# Altium PCB RADC-B00-V00.PcbDoc (part 1 of 3) (continued)
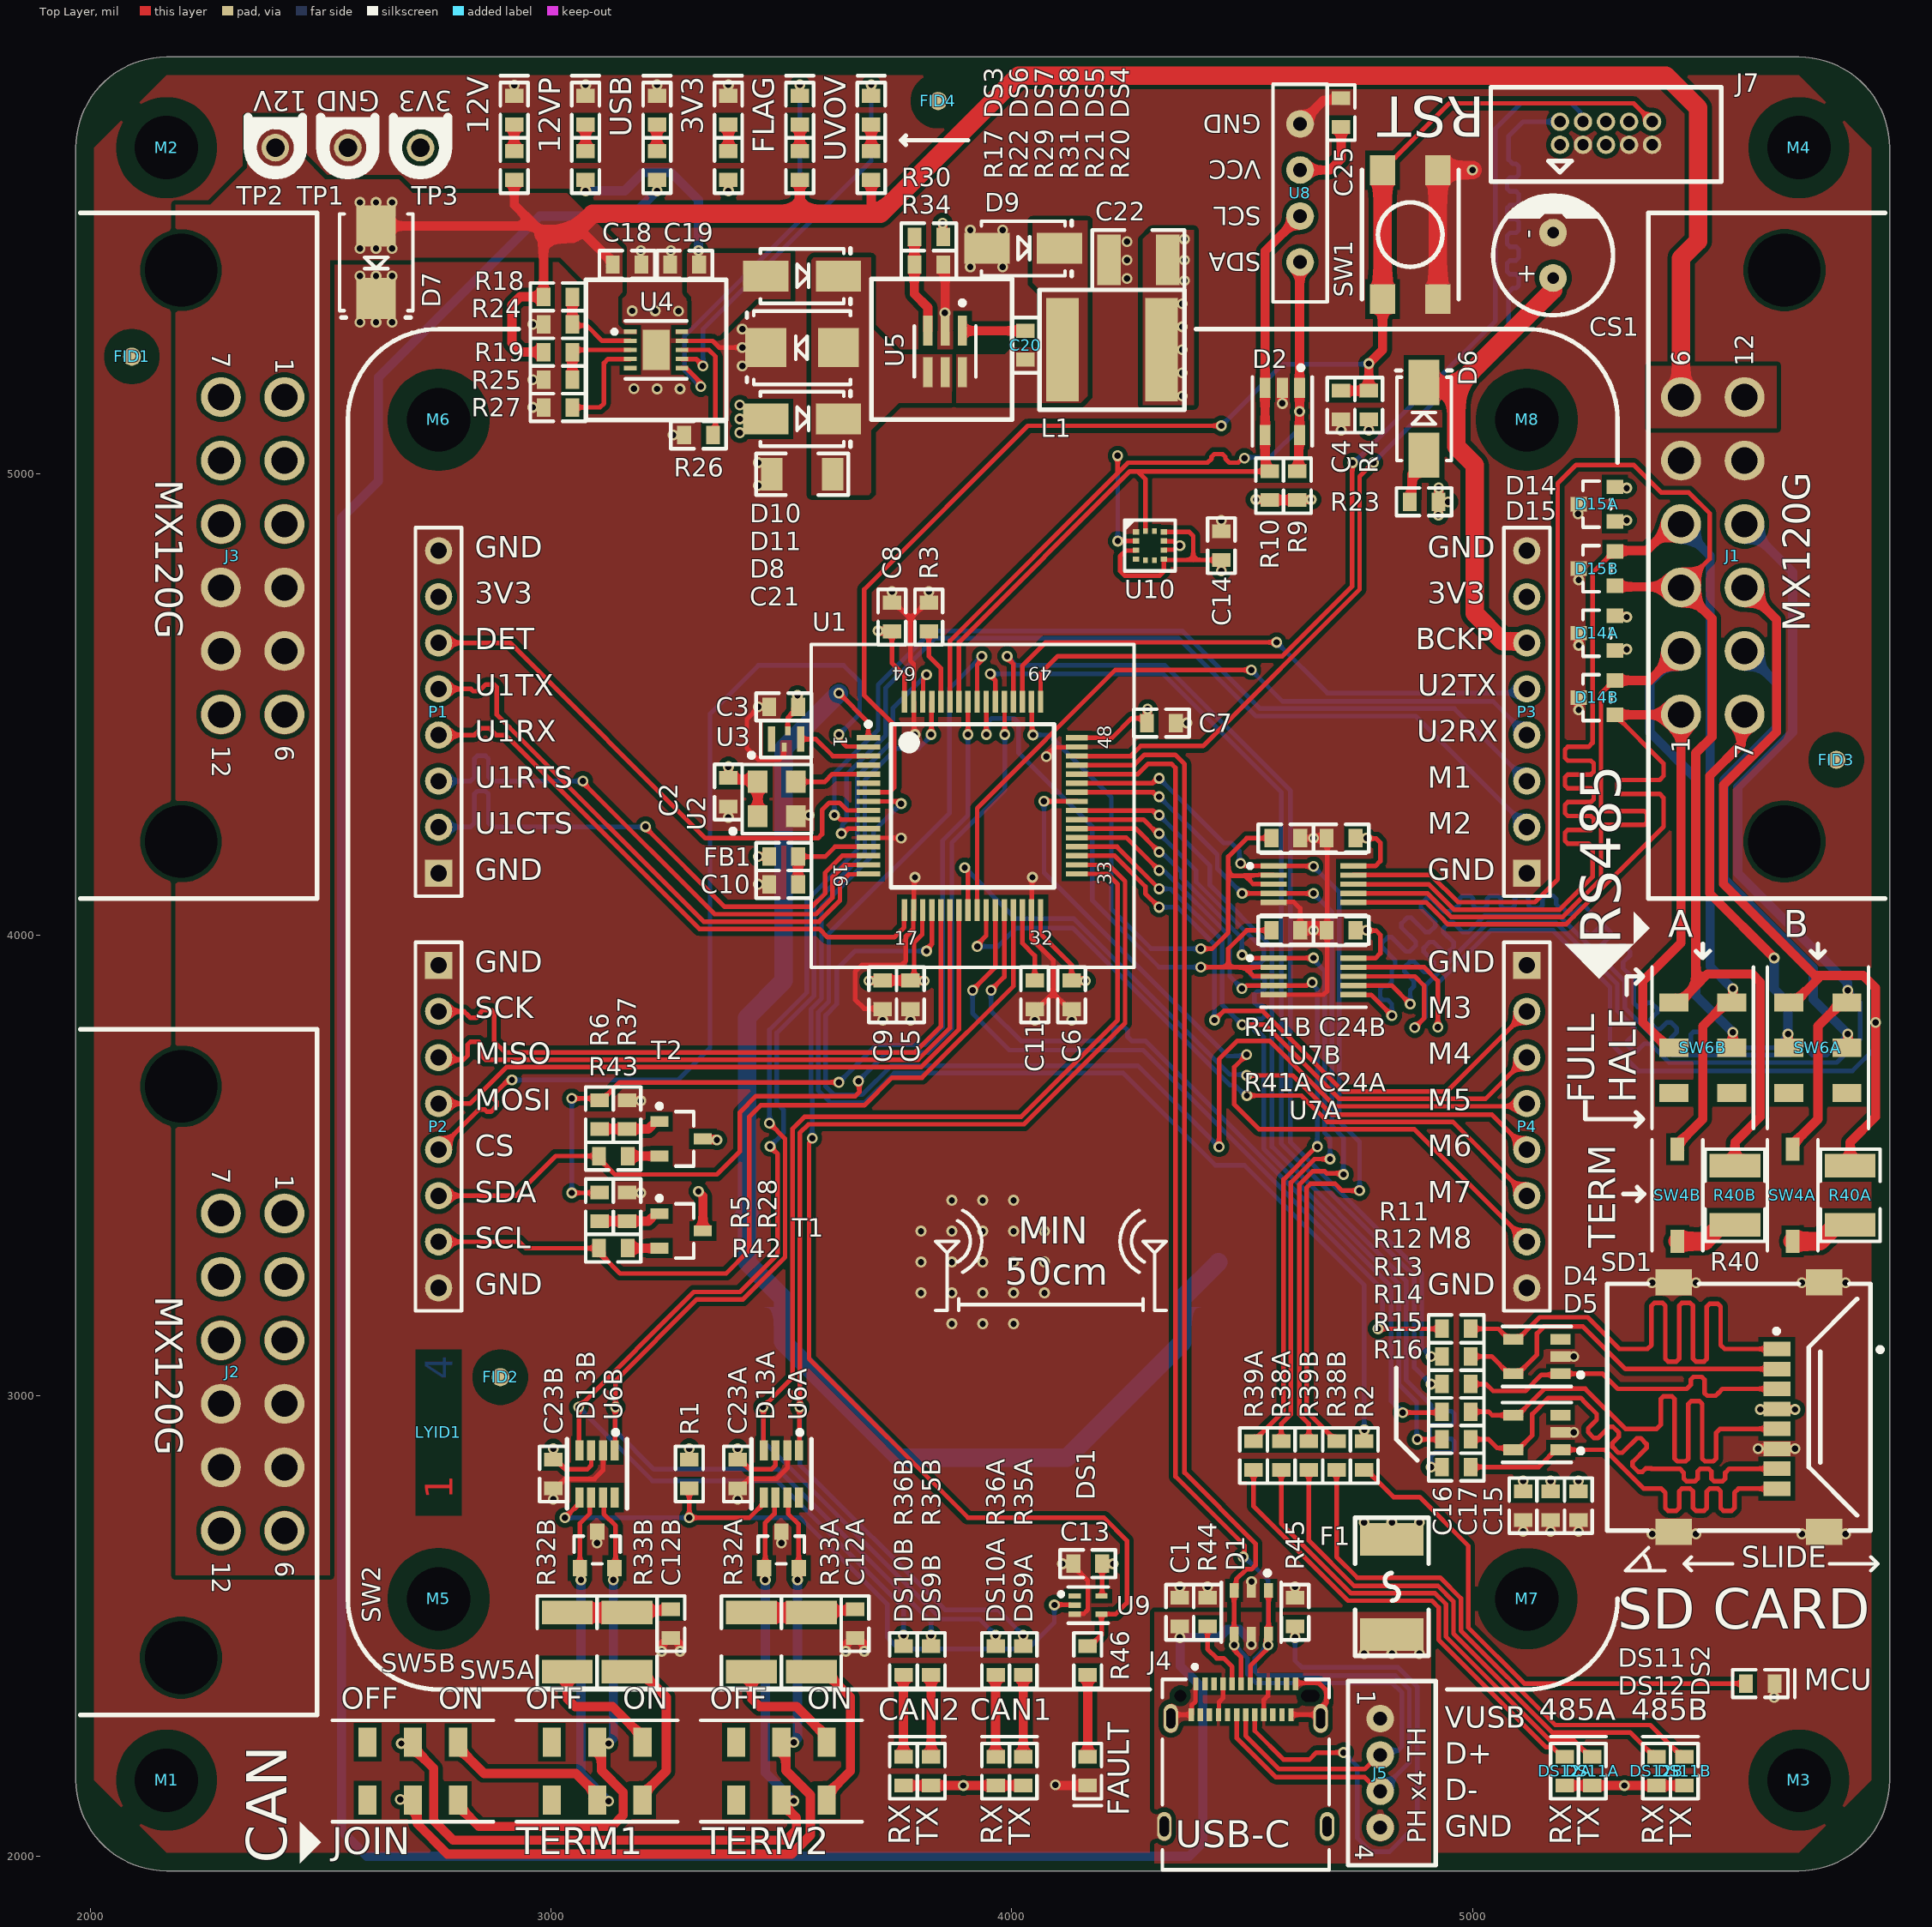
[diagram p0: Top Layer view]
## Design rules (kind name [scope] priority, off if disabled: settings)
Clearance [All] p1: gap=10 ignorepadtopadclearanceinfootprint=FALSE except(0: Arc-Hole Track-Hole SMDPad-Hole THPad-Hole Via-Hole Fill-Hole Poly-Hole Region-Hole Text-Hole; 6: Arc-Arc Arc-Track Arc-SMDPad Track-Track Track-SMDPad SMDPad-SMDPad)
DiffPairsRouting [All] p1: maxlimit=10 minlimit=6 mostfreqgap=10 toplayer_minwidth=10 toplayer_maxwidth=20 toplayer_prefwidth=10 midlayer1_minwidth=10 midlayer1_maxwidth=20 midlayer1_prefwidth=10 midlayer2_minwidth=10 midlayer2_maxwidth=20 midlayer2_prefwidth=10 bottomlayer_minwidth=10 bottomlayer_maxwidth=20 bottomlayer_prefwidth=10 maxuncoupledlength=500
MatchedLengths MatchLengths_xSignals_J7_U1 [InxSignalClass('xSignals_J7_U1_MatchLengthsClass')] p1: tolerance=100 checknetsindiffpair=FALSE checkdiffpairvsdiffpair=TRUE checkxsignals=TRUE checkothers=TRUE
MatchedLengths MatchLengths_SD1_Passives_U1 [InxSignalClass('xSignals_SD1_Passives_U1_MatchLengthsClass')] p2: tolerance=100 checknetsindiffpair=FALSE checkdiffpairvsdiffpair=TRUE checkxsignals=TRUE checkothers=TRUE
MatchedLengths MatchLengths_xSignals_SD1_Passives_1 [InxSignalClass('xSignals_SD1_Passives_MatchLengthsClass_1')] p3: tolerance=100 checknetsindiffpair=FALSE checkdiffpairvsdiffpair=TRUE checkxsignals=TRUE checkothers=TRUE
MatchedLengths MatchLengths_xSignals_SD1_U1 [InxSignalClass('xSignals_SD1_U1_MatchLengthsClass')] p4: tolerance=100 checknetsindiffpair=FALSE checkdiffpairvsdiffpair=TRUE checkxsignals=TRUE checkothers=TRUE
MatchedLengths MatchLengths_xSignals_J1_U7A_1 [InxSignalClass('xSignals_J1_U7A_MatchLengthsClass_1')] p5: tolerance=100 checknetsindiffpair=FALSE checkdiffpairvsdiffpair=TRUE checkxsignals=TRUE checkothers=TRUE
MatchedLengths MatchLengths_xSignals_J1_U7A [InxSignalClass('xSignals_J1_U7A_MatchLengthsClass')] p6: tolerance=100 checknetsindiffpair=FALSE checkdiffpairvsdiffpair=TRUE checkxsignals=TRUE checkothers=TRUE
MatchedLengths MatchLengths_xSignals_J1_U7B [InxSignalClass('xSignals_J1_U7B_MatchLengthsClass')] p7: tolerance=100 checknetsindiffpair=FALSE checkdiffpairvsdiffpair=TRUE checkxsignals=TRUE checkothers=TRUE
MatchedLengths MatchLengths_SD1_Passives_R1,R10,R11,R12,R13,R14,R15,R16,R17,R18,R19,R2,R20,R21,R22,R23,R24,R25,R26,R27,R28,R29,R3,R30,R31,R32A,R32B,R33A,R33B,R34,R35A,R35B,R36A,R36B,R37,R38A,R38B,R39A,R39B,R4,R40A,R40B,R41A,R41B,R42,R43,R44,R45,R46,R5,R6,R7,R8,R9 [InxSignalClass('xSignals_SD1_Passives_R1,R10,R11,R12,R13,R14,R15,R16,R17,R18,R19,R2,R20,R21,R22,R23,R24,R25,R26,R27,R28,R29,R3,R30,R31,R32A,R32B,R33A,R33B,R34,R35A,R35B,R36A,R36B,R37,R38A,R38B,R39A,R39B,R4,R40A,R40B,R41A,R41B,R42,R43,R44,R45,R46,R5,R6,R7,R8,R9_MatchLengthsClass')] p8: tolerance=100 checknetsindiffpair=FALSE checkdiffpairvsdiffpair=TRUE checkxsignals=TRUE checkothers=TRUE
MatchedLengths MatchLengths_xSignals_SD1_Passives [InxSignalClass('xSignals_SD1_Passives_MatchLengthsClass')] p9: tolerance=100 checknetsindiffpair=FALSE checkdiffpairvsdiffpair=TRUE checkxsignals=TRUE checkothers=TRUE
MatchedLengths MatchLengths_xSignals_SD1_R1,R10,R11,R12,R13,R14,R15,R16,R17,R18,R19,R2,R20,R21,R22,R23,R24,R25,R26,R27,R28,R29,R3,R30,R31,R32A,R32B,R33A,R33B,R34,R35A,R35B,R36A,R36B,R37,R38A,R38B,R39A,R39B,R4,R40A,R40B,R41A,R41B,R42,R43,R44,R45,R46,R5,R6,R7,R8,R9 [InxSignalClass('xSignals_SD1_R1,R10,R11,R12,R13,R14,R15,R16,R17,R18,R19,R2,R20,R21,R22,R23,R24,R25,R26,R27,R28,R29,R3,R30,R31,R32A,R32B,R33A,R33B,R34,R35A,R35B,R36A,R36B,R37,R38A,R38B,R39A,R39B,R4,R40A,R40B,R41A,R41B,R42,R43,R44,R45,R46,R5,R6,R7,R8,R9_MatchLengthsClass')] p10: tolerance=100 checknetsindiffpair=FALSE checkdiffpairvsdiffpair=TRUE checkxsignals=TRUE checkothers=TRUE
MatchedLengths MatchLengths_xSignals_U1_J7 [InxSignalClass('xSignals_U1_J7_MatchLengthsClass')] p11: tolerance=100 checknetsindiffpair=FALSE checkdiffpairvsdiffpair=TRUE checkxsignals=TRUE checkothers=TRUE
MatchedLengths MatchLengths_xSignals_U1_U8 [InxSignalClass('xSignals_U1_U8_MatchLengthsClass')] p12: tolerance=100 checknetsindiffpair=FALSE checkdiffpairvsdiffpair=TRUE checkxsignals=TRUE checkothers=TRUE
MatchedLengths MatchLengths_xSignals_U1_P1 [InxSignalClass('xSignals_U1_P1_MatchLengthsClass')] p13: tolerance=100 checknetsindiffpair=FALSE checkdiffpairvsdiffpair=TRUE checkxsignals=TRUE checkothers=TRUE
MatchedLengths MatchLengths_xSignals_U1_P2 [InxSignalClass('xSignals_U1_P2_MatchLengthsClass')] p14: tolerance=100 checknetsindiffpair=FALSE checkdiffpairvsdiffpair=TRUE checkxsignals=TRUE checkothers=TRUE
PolygonConnect [All] p1: connectstyle=Direct reliefconductorwidth=10 reliefentries=4 polygonreliefangle="90 Angle" airgapwidth=10
RoutingVias [All] p1: holewidth=13.78 width=23.62 viastyle="Through Hole" minholewidth=13.78 minwidth=23.62 maxholewidth=13.78 maxwidth=23.62
SolderMaskExpansion [All] p1: expansion=4 istentingtop=FALSE
Width [All] p1: maxlimit=40 minlimit=10 preferedwidth=20 minimp=50.000000 maximp=50.000000 favimp=50.000000
29 further rules are at their usual default settings.

## Classes and differential pairs
channel class RADC-RS485-S04-V00: RS4851 RS4852
channel class RADC-CANBUS-S03-V00: CANBUS1 CANBUS2
net class PWESUPPLY: "PWR CB 3V3" "PWR SW 3V3"
component class "SD Card / LEDs / Screen": C14 C15 C16 C17 C25 D2 D4 D5 R9 R10 R11 R12 R13 R14 R15 R16 SD1 U8 U10
component class RS4852: C24B D14B D15B DS11B DS12B R38B R39B R40B R41B SW4B SW6B U7B
component class RS4851: C24A D14A D15A DS11A DS12A R38A R39A R40A R41A SW4A SW6A U7A
component class RADC-Master-S00-V00: FID1 FID2 FID3 FID4 LOGO2 LYID1 M1 M2 M3 M4 M5 M6 M7 M8
component class "Power Supply": BAT1 C18 C19 C20 C21 C22 CS1 D6 D7 D8 D9 D10 D11 DS3 DS4 DS5 DS6 DS7 DS8 F1 L1 R17 R18 R19 R20 R21 R22 R23 R24 R25 R26 R27 R29 R30 R31 R34 TP1 TP2 TP3 U4 U5
component class Micocontroller: C2 C3 C4 C5 C6 C7 C8 C9 C10 C11 C13 DS1 DS2 FB1 J7 R1 R2 R3 R4 R5 R6 R28 R37 R42 R43 R46 SW1 T1 T2 U1 U2 U3 U9
component class Connectors: C1 D1 J1 J2 J3 J4 J5 R44 R45 SW2
component class "Card Module A": CABLE1 P1 P2 P3 P4
component class CANBUS2: C12B C23B D13B DS9B DS10B R32B R33B R35B R36B SW5B U6B
component class CANBUS1: C12A C23A D13A DS9A DS10A R32A R33A R35A R36A SW5A U6A
differential pair CAN2: +CAN2_P -CAN2_N
differential pair CAN1: +CAN1_P -CAN1_N
differential pair "USB D": +"USB D_P" -"USB D_N"

## Components (designator, comment, footprint, x,y, rotation, side; value= is the part's Value field where it differs from the comment)
BAT1 "Keystone 2898 (CR2032)" "Keystone 2898" 3937.01,3290 r180 bottom locked
C1 "1uF" Cap_Ceramic_0603 4365,2530 r270 top
C2 "100nF" Cap_Ceramic_0603 3385,4310 r90 top
C3 "100nF" Cap_Ceramic_0603 3505,4495 r0 top
C4 "100nF" Cap_Ceramic_0603 4715,5150 r90 top
C5 "100nF" Cap_Ceramic_0603 3780,3870 r90 top
C6 "100nF" Cap_Ceramic_0603 4130,3870 r90 top
C7 "100nF" Cap_Ceramic_0603 4325,4460 r180 top
C8 "100nF" Cap_Ceramic_0603 3740,4690 r270 top
C9 "4u7" Cap_Ceramic_0603 3720,3870 r90 top
C10 "100nF" Cap_Ceramic_0603 3505,4110 r0 top
C11 "2u2" Cap_Ceramic_0603 4050,3870 r90 top
C12A "4n7" Cap_Ceramic_0603 3660,2505 r90 top (schematic designator C12)
C12B "4n7" Cap_Ceramic_0603 3260,2505 r90 top (schematic designator C12)
C13 "100nF" Cap_Ceramic_0603 4165,2635 r0 top
C14 "100nF" Cap_Ceramic_0603 4455,4845 r270 top
C15 "100nF" Cap_Ceramic_0603 5230,2761.24 r90 top
C16 "1uF" Cap_Ceramic_0603 5110,2761.24 r90 top
C17 "4u7" Cap_Ceramic_0603 5170,2761.24 r90 top
C18 "4u7" Cap_Ceramic_0603 3165,5455 r180 top
C19 "4u7" Cap_Ceramic_0603 3290,5455 r0 top
C20 "100nF 50V" Cap_Ceramic_0603 4030,5280 r270 top
C21 "22uF 35V" Cap_Ceramic_1206 3545,5000 r0 top
C22 "47uF 16V 1210" Cap_Ceramic_1210 4275,5465 r0 top
C23A "100nF" Cap_Ceramic_0603 3405,2830 r270 top (schematic designator C23)
C23B "100nF" Cap_Ceramic_0603 3005,2830 r270 top (schematic designator C23)
C24A "100nF" Cap_Ceramic_0603 4715,4010 r180 top (schematic designator C24)
C24B "100nF" Cap_Ceramic_0603 4715,4210 r180 top (schematic designator C24)
C25 "1uF" Cap_Ceramic_0603 4715,5785 r270 top
CS1 "JUWT1105MCD" CAP_ALU_6.3mmD_9mmL 5175,5475 r90 top
D1 "PRTR5V0U4D" SC-47 4520,2530 r270 top
D2 "ESDS314" SOT-23-5 4587.4,5136.18 r270 top
D4 "ESDS314" SOT-23-5 5140,3085 r180 top
D5 "ESDS314" SOT-23-5 5140,2920 r180 top
D6 "B260A-13-F" SMA 4895,5120 r90 top
D7 "SMBJ15CA" SMB 2620,5460 r270 top
D8 "B260A-13-F" SMA 3545,5120 r0 top
D9 "B260A-13-F" SMA 4025,5490 r0 top
D10 "B260A-13-F" SMA 3545,5430 r0 top
D11 "SMBJ15CA" SMB 3545,5275 r180 top
D13A "NUP2105L" NUP2105L 3500,2665 r0 top (schematic designator D13)
D13B "NUP2105L" NUP2105L 3100,2665 r0 top (schematic designator D13)
D14A "NUP2105L" NUP2105L 5270,4655 r90 top (schematic designator D14)
D14B "NUP2105L" NUP2105L 5270,4515 r90 top (schematic designator D14)
D15A "NUP2105L" NUP2105L 5270,4935 r90 top (schematic designator D15)
D15B "NUP2105L" NUP2105L 5270,4795 r90 top (schematic designator D15)
DS1 "LED Red 0603" "LED RED 0603" 4165,2185 r270 top
DS2 "LED Orange 0603" "LED ORANGE 0603" 5625,2375 r0 top
DS3 "LED Green 0603" "LED GREEN 0603" 2920,5790 r90 top
DS4 "LED Red 0603" "LED RED 0603" 3695,5790 r90 top
DS5 "LED Red 0603" "LED RED 0603" 3540,5790 r90 top
DS6 "LED Green 0603" "LED GREEN 0603" 3075,5790 r90 top
DS7 "LED Green 0603" "LED GREEN 0603" 3230,5790 r90 top
DS8 "LED Green 0603" "LED GREEN 0603" 3385,5790 r90 top
DS9A "LED Blue 0603" "LED BLUE 0603" 4025,2185 r90 top (schematic designator DS9)
DS9B "LED Blue 0603" "LED BLUE 0603" 3825,2185 r90 top (schematic designator DS9)
DS10A "LED Blue 0603" "LED BLUE 0603" 3965,2185 r90 top (schematic designator DS10)
DS10B "LED Blue 0603" "LED BLUE 0603" 3765,2185 r90 top (schematic designator DS10)
DS11A "LED Blue 0603" "LED BLUE 0603" 5260,2185 r90 top (schematic designator DS11)
DS11B "LED Blue 0603" "LED BLUE 0603" 5460,2185 r90 top (schematic designator DS11)
DS12A "LED Blue 0603" "LED BLUE 0603" 5200,2185 r90 top (schematic designator DS12)
DS12B "LED Blue 0603" "LED BLUE 0603" 5400,2185 r90 top (schematic designator DS12)
F1 "0ZCG0050FF2C" "1812 FUSE" 4825,2585 r90 top
FB1 "10uH, 10%, 0603" Inductor_0603 3505,4170 r0 top
FID1 "Fiducial 1MM" "FIDUCIAL 1MM" 2090,5255 r0 top
FID2 "Fiducial 1MM" "FIDUCIAL 1MM" 2890,3040 r90 top
FID3 "Fiducial 1MM" "FIDUCIAL 1MM" 5790,4380 r90 top
FID4 "Fiducial 1MM" "FIDUCIAL 1MM" 3840,5810 r90 top
J1 "MX120G" MX120G 5452.76,4822.83 r90 top locked
J2 "MX120G" MX120G 2421.26,3051.18 r270 top locked
J3 "MX120G" MX120G 2421.26,4822.83 r270 top locked
J4 "12401610E4#2A" 12401610E4#2A 4507.87,2348.46 r0 top
J5 "JST PH 4x RIGHT TH" "JST PH 4x RIGHT TH" 4800,2180.63 r270 top
J7 "IDC 10P 2x5 1.27mm" "IDC 1.27MM 10P" 5290,5740 r0 top
L1 "74404064221" Inductor_6x6mm 4215,5270 r0 top
LOGO2 "30mm Wide QUTMS Logo" "QUTMS LOGO 30MM" 4525,4735 r180 bottom
LYID1 "4 Layer Identification PCB Marker" "LAYER IDENT 4" 2755.91,2920 r90 top
M1 "Hole M3 Loose Unplated" "M3.5 UNPLATED" 2165.35,2165.35 r0 top locked
M2 "Hole M3 Loose Unplated" "M3.5 UNPLATED" 2165.35,5708.66 r0 top locked
M3 "Hole M3 Loose Unplated" "M3.5 UNPLATED" 5708.66,2165.35 r0 top locked
M4 "Hole M3 Loose Unplated" "M3.5 UNPLATED" 5708.66,5708.66 r0 top
M5 "Hole M3 Loose Unplated" "M3.5 UNPLATED" 2755.91,2559.06 r0 top
M6 "Hole M3 Loose Unplated" "M3.5 UNPLATED" 2755.91,5118.11 r0 top locked
M7 "Hole M3 Loose Unplated" "M3.5 UNPLATED" 5118.11,2559.06 r0 top locked
M8 "Hole M3 Loose Unplated" "M3.5 UNPLATED" 5118.11,5118.11 r0 top locked
P1 "Header 8" HDR1X8 2755.91,4133.86 r90 top locked
P2 "Header 8" HDR1X8 2755.91,3933.86 r270 top locked
P3 "Header 8" HDR1X8 5118.11,4133.86 r90 top locked
P4 "Header 8" HDR1X8 5118.11,3933.86 r270 top locked
R1 "10k" Res_ThinFilm_0603 3300,2830 r90 top
R2 "1k" Res_ThinFilm_0603 4765,2870 r90 top
R3 "10k" Res_ThinFilm_0603 3820,4690 r270 top
R4 "10k" Res_ThinFilm_0603 4775,5150 r270 top
R5 "33R" Res_ThinFilm_0603 3105,3410 r90 top
R6 "33R" Res_ThinFilm_0603 3105,3610 r90 top
R9 "2k2" Res_ThinFilm_0603 4620,4975 r270 top
R10 "2k2" Res_ThinFilm_0603 4560,4975 r270 top
R11 "33R" Res_ThinFilm_0603 4965,3145 r0 top
R12 "33R" Res_ThinFilm_0603 4965,3085 r0 top
R13 "33R" Res_ThinFilm_0603 4965,3025 r0 top
R14 "33R" Res_ThinFilm_0603 4965,2965 r0 top
R15 "33R" Res_ThinFilm_0603 4965,2905 r0 top
R16 "33R" Res_ThinFilm_0603 4965,2845 r0 top
R17 "4k7" Res_ThinFilm_0603 2920,5670 r270 top
R18 "2M2" Res_ThinFilm_0603 3015,5385 r180 top
R19 "2M2" Res_ThinFilm_0603 3015,5265 r180 top
R20 "4k7" Res_ThinFilm_0603 3695,5670 r270 top
R21 "4k7" Res_ThinFilm_0603 3540,5670 r270 top
R22 "4k7" Res_ThinFilm_0603 3075,5670 r270 top
R23 "220R" Res_ThinFilm_0603 4895,4940 r180 top
R24 "390k" Res_ThinFilm_0603 3015,5325 r0 top
R25 "220k" Res_ThinFilm_0603 3015,5205 r0 top
R26 "1k2" Res_ThinFilm_0603 3320,5085 r0 top
R27 "150k" Res_ThinFilm_0603 3015,5145 r0 top
R28 "10k" Res_ThinFilm_0603 3165,3410 r270 top
R29 "1k" Res_ThinFilm_0603 3230,5670 r270 top
R30 "64k9" Res_ThinFilm_0603 3820,5515 r0 top
R31 "1k" Res_ThinFilm_0603 3385,5670 r270 top
R32A "60R4 1% 1210" Res_ThinFilm_1210 3435,2465 r270 top (schematic designator R32)
R32B "60R4 1% 1210" Res_ThinFilm_1210 3035,2465 r270 top (schematic designator R32)
R33A "60R4 1% 1210" Res_ThinFilm_1210 3565,2465 r90 top (schematic designator R33)
R33B "60R4 1% 1210" Res_ThinFilm_1210 3165,2465 r90 top (schematic designator R33)
R34 "19k6" Res_ThinFilm_0603 3820,5455 r180 top
R35A "1k" Res_ThinFilm_0603 4025,2425 r270 top (schematic designator R35)
R35B "1k" Res_ThinFilm_0603 3825,2425 r270 top (schematic designator R35)
R36A "1k" Res_ThinFilm_0603 3965,2425 r270 top (schematic designator R36)
R36B "1k" Res_ThinFilm_0603 3765,2425 r270 top (schematic designator R36)
R37 "10k" Res_ThinFilm_0603 3165,3610 r270 top
R38A "1k" Res_ThinFilm_0603 4585,2870 r270 top (schematic designator R38)
R38B "1k" Res_ThinFilm_0603 4705,2870 r270 top (schematic designator R38)
R39A "1k" Res_ThinFilm_0603 4525,2870 r270 top (schematic designator R39)
R39B "1k" Res_ThinFilm_0603 4645,2870 r270 top (schematic designator R39)
R40A "120R 1% 1210" Res_ThinFilm_1210 5820,3435 r90 top (schematic designator R40)
R40B "120R 1% 1210" Res_ThinFilm_1210 5570,3435 r90 top (schematic designator R40)
R41A "10k" Res_ThinFilm_0603 4595,4010 r180 top (schematic designator R41)
R41B "10k" Res_ThinFilm_0603 4595,4210 r180 top (schematic designator R41)
R42 "2k2" Res_ThinFilm_0603 3135,3320 r0 top
R43 "2k2" Res_ThinFilm_0603 3135,3520 r0 top
R44 "5k1 1%" Res_ThinFilm_0603 4425,2530 r270 top
R45 "5k1 1%" Res_ThinFilm_0603 4615,2530 r270 top
R46 "1k" Res_ThinFilm_0603 4165,2425 r90 top
SD1 "47219-2001" 47219-2001 5600,2975 r270 top
SW1 "BTN Standard 4.5mm" "BTN STANDARD 4.5mm X 4.5mm" 4865,5520 r90 top
SW2 "JS202011JCQN" JS202011JCQN 2700,2185 r180 top
SW4A "CHS-01TA" CHS-01TA 5695,3435 r270 top (schematic designator SW4)
SW4B "CHS-01TA" CHS-01TA 5445,3435 r270 top (schematic designator SW4)
SW5A "JS202011JCQN" JS202011JCQN 3500,2185 r180 top (schematic designator SW5)
SW5B "JS202011JCQN" JS202011JCQN 3100,2185 r180 top (schematic designator SW5)
SW6A "JS202011JCQN" JS202011JCQN 5750,3755 r90 top (schematic designator SW6)
SW6B "JS202011JCQN" JS202011JCQN 5500,3755 r90 top (schematic designator SW6)
T1 "MMBT3904-7-F" "SOT23-3 - Transistor" 3282.24,3357.4 r0 top
T2 "MMBT3904-7-F" "SOT23-3 - Transistor" 3282.24,3557.4 r0 top
TP1 "Keystone 5001" TestPointHoop_BLACK 2559.06,5708.66 r0 top
TP2 "Keystone 5000" TestPointHoop_RED 2401.57,5708.66 r0 top
TP3 "Keystone 5003" TestPointHoop_ORANGE 2716.54,5708.66 r0 top
U1 "STM32F446RC" STM-LQFP64_V 3915,4280 r0 top locked
U2 "DSC1001DI1-008.0000T" DSC1001DI1-008.0000TCT-ND 3490,4295 r90 top
U3 "SIT1533AI-H4-DCC-32.768E" SIT1533AI-H4-DCC-32.768E 3510,4425 r0 top
U4 "MAX17612A" "10-PIN TDFN EP" 3228.03,5269.76 r0 top
U5 "LMR14010" LMR14010 3856.06,5266.97 r270 top
U6A "TCAN337GDCNT" SOT-23-8 3500,2830 r270 top (schematic designator U6)
U6B "TCAN337GDCNT" SOT-23-8 3100,2830 r270 top (schematic designator U6)
U7A "THVD1452DGSR" 10-VSSOP 4655,3910 r0 top (schematic designator U7)
U7B "THVD1452DGSR" 10-VSSOP 4655,4110 r0 top (schematic designator U7)
U8 "OLED Module 0.91\" BuyDisplay" "BUYDISPLAY 0.91\" OLED" 3937.01,5610.24 r180 top locked
U9 "SN74LVC1G14DRLR" SOT-553 4165.87,2545.32 r0 top
U10 "BMA456" BMA456 4300,4845 r0 top

## Footprints (in the part's own frame and the unit in brackets; to place one, negate y for a bottom-side part, rotate by r counter-clockwise, add the part's x,y. Pads: shape width x height; smd on the part's side, far side on the other; paste and mask are expansions set on the pad)
"10-PIN TDFN EP" [mm]
  rect 0.7x0.25 smd: 1(-1.425,1) 2(-1.425,0.5) 3(-1.425,0) 4(-1.425,-0.5) 5(-1.425,-1) 6(1.425,-1) 7(1.425,-0.5) 8(1.425,0) 9(1.425,0.5) 10(1.425,1)
  rect 1.5x2.2 smd paste-0.1: 11(0,0)
  silkscreen extent -2.4,-1.6 1.7,1.6, body extent -1.51,-1.5 1.51,1.5, height 0.76
10-VSSOP [mm]
  rect 1.45x0.3 smd: 1(-2.2,1) 2(-2.2,0.5) 3(-2.2,0) 4(-2.2,-0.5) 5(-2.2,-1) 6(2.2,-1) 7(2.2,-0.5) 8(2.2,0) 9(2.2,0.5) 10(2.2,1)
  silkscreen extent -3.6,-1.7 2.9,1.7, body extent -2.45,-1.5 2.45,1.5, height 1
"1812 FUSE" [mm]
  rect 1.8x3.5 smd: 1(-2.625,0) 2(2.625,0)
  silkscreen extent -3.81,-2.03 3.81,2.03, body extent -2.25,-1.6 2.25,1.6, height 0.58
47219-2001 [mm]
  rect 0.8x1.5 smd: 1(-3.205,1.55) 2(-2.105,1.55) 3(-1.005,1.55) 4(0.095,1.55) 5(1.195,1.55) 6(2.295,1.55) 7(3.395,1.55) 8(4.495,1.55)
  rect 1.45x2 smd: 9(6.875,4.15) 10(6.875,-4.15) 11(-6.875,-4.15) 12(-6.875,4.15)
  silkscreen extent -6.8,-7.8 6.8,7.36, body extent -7.3,-7.79 7.3,6.71, height 1.91
12401610E4#2A [mm]
  rect 0.3x0.7 smd: A1(-2.75,0.66) A2(-2.25,0.66) A3(-1.75,0.66) A4(-1.25,0.66) A5(-0.75,0.66) A6(-0.25,0.66) A7(0.25,0.66) A8(0.75,0.66) A9(1.25,0.66) A10(1.75,0.66) A11(2.25,0.66) A12(2.75,0.66) B1(2.5,-1.04) B2(2,-1.04) B3(1.5,-1.04) B4(1,-1.04) B5(0.5,-1.04) B6(0,-1.04) B7(-0.5,-1.04) B8(-1,-1.04) B9(-1.5,-1.04) B10(-2,-1.04) B11(-2.5,-1.04) B12(-3,-1.04)
  oval 0.8x1.6 hole 0.5 slot 1.1 at 90 deg: S1(-4.13,-1.25) S2(4.13,-1.25) S3(4.49,-7.2) S4(-4.49,-7.2)
  round 0 hole 0.65 unplated: ""(-3.6,0)
  round 0 hole 0.65 slot 1.016 at 0 deg unplated mask+0: ""(3.559,0)
  silkscreen extent -4.6,-9.59 4.6,1.7, body extent -4.6,-9.53 4.6,1.02, height 3.3
BMA456 [mm]
  rect 0.35x0.3 smd mask+0: 1(-0.775,0.75) 2(-0.775,0.25) 3(-0.775,-0.25) 4(-0.775,-0.75) 7(0.775,-0.75) 8(0.775,-0.25) 9(0.775,0.25) 10(0.775,0.75)
  rect 0.25x0.3 smd mask+0: 5(-0.25,-0.8) 6(0.25,-0.8) 11(0.25,0.8) 12(-0.25,0.8)
  silkscreen extent -1.4,-1.4 1.4,1.4, body extent -1,-1 1,1, height 0.65
"BTN STANDARD 4.5mm X 4.5mm" [mil]
  rect 65x55 smd: 1(-140,60) 2(140,60) 3(-140,-60) 4(140,-60)
  silkscreen extent -140,-105 140,105, body extent -148,-89 148,89, height 165
"BUYDISPLAY 0.91\" OLED" [mil]
  round 60 hole 30: 1(-688.98,-150) 2(-688.98,-50) 3(-688.98,50) 4(-688.98,150)
  silkscreen extent -748,-236 -630,236, body extent -754,-238 754,238, height 493
CAP_ALU_6.3mmD_9mmL [mil]
  round 60 hole 25: A(-49.21,0) K(49.21,0)
  silkscreen extent -130,-130 130,130, body extent -124,-124 124,124, height 354
Cap_Ceramic_0603 [mil]
  rect 30x40 smd: 1(-31.24,0) 2(31.24,0)
  silkscreen extent -60,-30 60,30, body extent -31,-16 32,16, height 33
Cap_Ceramic_1206 [mil]
  rect 47x71 smd: 1(-66.08,0) 2(66.08,0)
  silkscreen extent -100,-45 100,45, body extent -63,-31 63,32, height 53
Cap_Ceramic_1210 [mm]
  rect 1.3x2.8 smd: 1(-1.625,0) 2(1.625,0)
  silkscreen extent -2.54,-1.65 2.54,1.65, body extent -1.6,-1.25 1.6,1.25, height 1.35
CHS-01TA [mm]
  rect 1.27x0.76 smd: 1(-2.54,0) 2(2.54,0)
  silkscreen extent -3.05,-1.4 3.05,1.4, body extent -2.8,-1.25 2.8,1.25, height 2.42
DSC1001DI1-008.0000TCT-ND [mil]
  rect 48x43 smd: 1(-37.4,41.34) 2(-37.4,-41.34) 3(37.4,-41.34) 4(37.4,41.34)
  silkscreen extent -75,-75 75,100, body extent -49,-63 49,63, height 33
"FIDUCIAL 1MM" [mm]
  round 1 smd mask+1: 1(0,0)
  round 1 smd far side mask+1: 1(0,0)
  Top Layer pour cut-out: 0.003,-1.516 -0.579,-1.4 -1.073,-1.07 -1.403,-0.577 -1.518,0.006 -1.518,0.006 -1.403,0.588 -1.073,1.081 -0.579,1.411 0.003,1.527 0.003,1.527 0.585,1.411 1.078,1.081 1.408,0.588 1.524,0.006 1.524,0.006 1.408,-0.577 1.078,-1.07 0.585,-1.4 0.003,-1.516
  Bottom Layer pour cut-out: 0.003,-1.516 -0.579,-1.4 -1.073,-1.07 -1.403,-0.577 -1.518,0.006 -1.518,0.006 -1.315,0.766 -0.758,1.323 0.003,1.527 0.003,1.527 0.585,1.411 1.078,1.081 1.408,0.588 1.524,0.006 1.524,0.006 1.408,-0.577 1.078,-1.07 0.585,-1.4 0.003,-1.516
HDR1X8 [mm] "Connector; Header; 8 Position"
  rect 1.5x1.5 hole 0.9: 1(0,0)
  round 1.5 hole 0.9: 2(2.54,0) 3(5.08,0) 4(7.62,0) 5(10.16,0) 6(12.7,0) 7(15.24,0) 8(17.78,0)
  silkscreen extent -1.27,-1.27 19.05,1.27
"IDC 1.27MM 10P" [mil]
  round 40 hole 25: 1(-100,-25) 2(-100,25) 3(-50,-25) 4(-50,25) 5(0,-25) 6(0,25) 7(50,-25) 8(50,25) 9(100,-25) 10(100,25)
  silkscreen extent -250,-105 250,100, body extent -249,-104 249,100, height 214
Inductor_6x6mm [mm]
  rect 1.8x5.7 smd: 1(-2.667,0) 2(2.794,0)
  silkscreen extent -3.94,-3.3 4.06,3.3, body extent -3,-3 3,3, height 4.56
Inductor_0603 [mil]
  rect 30x40 smd: 1(-31.24,0) 2(31.24,0)
  silkscreen extent -60,-30 60,30, body extent -31,-16 32,16, height 18
JS202011JCQN [mm]
  rect 1x1.6 smd: 1(-2.5,1.6) 2(0,1.6) 3(2.5,1.6) 4(-2.5,-1.6) 5(0,-1.6) 6(2.5,-1.6)
  silkscreen extent -4.44,-2.79 4.44,2.79, body extent -4.5,-1.8 4.5,1.8, height 5.62
"JST PH 4x RIGHT TH" [mil]
  round 60 hole 30: 1(-118.11,0) 2(-39.37,0) 3(39.37,0) 4(118.11,0)
  silkscreen extent -200,-70 200,120, body extent -194,-67 194,117, height 232
"Keystone 2898" [mm]
  rect 5x5 smd: 1(-13,0) 1(13,0)
  round 12 smd mask+4: 2(0,0)
  silkscreen extent -15.49,-2.95 15.49,10.94, body extent -15.37,-10.43 15.37,9.14, height 3.35
"LAYER IDENT 4" [mil]
  Top Layer pour cut-out: -180,50 -180,-50 180,-50 180,50
  Mid-Layer 1 pour cut-out: -180,50 -180,-50 180,-50 180,50
  Mid-Layer 2 pour cut-out: -180,50 -180,-50 180,-50 180,50
  Bottom Layer pour cut-out: -180,50 -180,-50 180,-50 180,50
"LED BLUE 0603" [mil]
  rect 30x40 smd: 1(-31.24,0) 2(31.24,0)
  silkscreen extent -60,-30 75,30, body extent -40,-20 40,20, height 30
"LED GREEN 0603" [mil]
  rect 30x40 smd: 1(-31.24,0) 2(31.24,0)
  silkscreen extent -60,-30 75,30, body extent -40,-20 40,20, height 30
"LED ORANGE 0603" [mil]
  rect 30x40 smd: 1(-31.24,0) 2(31.24,0)
  silkscreen extent -60,-30 75,30, body extent -40,-20 40,20, height 30
"LED RED 0603" [mil]
  rect 30x40 smd: 1(-31.24,0) 2(31.24,0)
  silkscreen extent -60,-30 75,30, body extent -40,-20 40,20, height 30
LMR14010 [mil]
  rect 65x20 smd: 1(-44.73,36.75) 2(-44.73,-0.65) 3(-44.73,-38.05) 4(45.84,-38.05) 5(45.84,-0.65) 6(45.84,36.75)
  silkscreen extent -110,-68 56,66, body extent -55,-58 56,56, height 43
"M3.5 UNPLATED" [mm]
  round 0 hole 3.5 unplated mask+2.6: 1(0,0)
  Top Layer pour cut-out: 0,-2.794 -1.069,-2.581 -1.976,-1.976 -2.581,-1.069 -2.794,0 -2.794,0 -2.581,1.069 -1.976,1.976 -1.069,2.581 0,2.794 0,2.794 1.069,2.581 1.976,1.976 2.581,1.069 2.794,0 2.794,0 2.581,-1.069 1.976,-1.976 1.069,-2.581 0,-2.794
  Bottom Layer pour cut-out: 0,-2.794 -1.069,-2.581 -1.976,-1.976 -2.581,-1.069 -2.794,0 -2.794,0 -2.581,1.069 -1.976,1.976 -1.069,2.581 0,2.794 0,2.794 1.069,2.581 1.976,1.976 2.581,1.069 2.794,0 2.794,0 2.581,-1.069 1.976,-1.976 1.069,-2.581 0,-2.794
MX120G [mm]
  round 2.2 hole 1.45: 1(-8.75,0) 2(-5.25,0) 3(-1.75,0) 4(1.75,0) 5(5.25,0) 6(8.75,0) 7(-8.75,-3.5) 8(-5.25,-3.5) 9(-1.75,-3.5) 10(1.75,-3.5) 11(5.25,-3.5) 12(8.75,-3.5)
  round 0 hole 4 unplated mask+0.254: NC(-15.75,-5.7) NC(15.75,-5.7)
  silkscreen extent -18.9,-11.25 18.9,1.8, body extent -18.78,-32.1 18.58,0.36, height 24.48
NUP2105L [mm]
  rect 0.8x0.9 smd: 1(-0.95,-1) 2(0.95,-1) 3(0,1)
  silkscreen extent -1.27,-0.76 1.27,0.76, body extent -1.45,-1.22 1.45,1.18, height 1
"QUTMS LOGO 30MM" [mil]
  silkscreen extent -1,1 1182,398
Res_ThinFilm_0603 [mil]
  rect 30x40 smd: 1(-31.24,0) 2(31.24,0)
  silkscreen extent -60,-30 60,30, body extent -31,-16 32,16, height 18
Res_ThinFilm_1210 [mm]
  rect 1.3x2.8 smd: 1(-1.625,0) 2(1.625,0)
  silkscreen extent -2.54,-1.65 2.54,1.65, body extent -1.6,-1.25 1.6,1.25, height 0.6
SC-47 [mm]
  rect 0.8x0.5 smd: 1(-1.2,0.95) 2(-1.2,0) 3(-1.2,-0.95) 4(1.2,-0.95) 5(1.2,0) 6(1.2,0.95)
  silkscreen extent -2.29,-1.65 1.65,1.65, body extent -1.3,-1.45 1.3,1.45, height 1.14
SIT1533AI-H4-DCC-32.768E [mm]
  rect 0.4x1.4 smd: 1(-0.8,0) 3(0.8,0)
  rect 0.3x0.5 smd: 2(-0.1,-0.45) 4(0.1,0.45)
  silkscreen extent -2.03,-1.02 1.4,1.02, body extent -1,-0.6 1,0.6, height 0.55
SMA [mm]
  rect 2.5x1.7 smd: A(-2,0) K(2,0)
  silkscreen extent -2.3,-1.52 2.67,1.52, body extent -2.52,-1.46 2.52,1.46, height 2.4
SMB [mm]
  rect 2.26x2.16 smd: A(-2,0) K(2,0)
  silkscreen extent -2.67,-2.01 3.05,2.03, body extent -2.75,-1.95 2.75,1.95, height 2.45
"SOT23-3 - Transistor" [mm] "SOT23, 3-Leads, Body 2.90x2.45mm, Pitch 0.95mm, IPC Medium Density"
  rect 1x0.6 smd: B(-1.2,0.95) C(1.2,0) E(-1.2,-0.95)
  silkscreen extent -1.32,-1.5 0.7,1.92, body extent -1.3,-1.5 1.3,1.5, height 1.1
SOT-23-5 [mm]
  rect 1.1x0.6 smd: 1(-1.3,0.95) 2(-1.3,0) 3(-1.3,-0.95) 4(1.3,-0.95) 5(1.3,0.95)
  silkscreen extent -2.54,-1.65 1.91,1.65, body extent -1.4,-1.45 1.4,1.45, height 1
SOT-23-8 [mm]
  rect 1.1x0.45 smd: 1(-1.3,0.975) 2(-1.3,0.325) 3(-1.3,-0.325) 4(-1.3,-0.975) 5(1.3,-0.975) 6(1.3,-0.325) 7(1.3,0.325) 8(1.3,0.975)
  silkscreen extent -2.41,-1.65 1.91,1.65, body extent -1.42,-1.5 1.42,1.5, height 1.2
SOT-553 [mm]
  rect 0.67x0.3 smd: 1(-0.74,0.5) 2(-0.74,0) 3(-0.74,-0.5) 4(0.74,-0.5) 5(0.74,0.5)
  silkscreen extent -1.6,-1 1.1,1, body extent -0.8,-0.8 0.8,0.8, height 0.6
STM-LQFP64_V [mm]
  rect 1.3x0.3 smd: 1(-5.75,3.75) 2(-5.75,3.25) 3(-5.75,2.75) 4(-5.75,2.25) 5(-5.75,1.75) 6(-5.75,1.25) 7(-5.75,0.75) 8(-5.75,0.25) 9(-5.75,-0.25) 10(-5.75,-0.75) 11(-5.75,-1.25) 12(-5.75,-1.75) 13(-5.75,-2.25) 14(-5.75,-2.75) 15(-5.75,-3.25) 16(-5.75,-3.75)
  rect 0.3x1.2 smd: 17(-3.75,-5.75) 18(-3.25,-5.75) 19(-2.75,-5.75) 20(-2.25,-5.75) 21(-1.75,-5.75) 22(-1.25,-5.75) 23(-0.75,-5.75) 24(-0.25,-5.75) 25(0.25,-5.75) 26(0.75,-5.75) 27(1.25,-5.75) 28(1.75,-5.75) 29(2.25,-5.75) 30(2.75,-5.75) 31(3.25,-5.75) 32(3.75,-5.75) 49(3.75,5.75) 50(3.25,5.75) 51(2.75,5.75) 52(2.25,5.75) 53(1.75,5.75) 54(1.25,5.75) 55(0.75,5.75) 56(0.25,5.75) 57(-0.25,5.75) 58(-0.75,5.75) 59(-1.25,5.75) 60(-1.75,5.75) 61(-2.25,5.75) 62(-2.75,5.75) 63(-3.25,5.75) 64(-3.75,5.75)
  rect 1.2x0.3 smd: 33(5.75,-3.75) 34(5.75,-3.25) 35(5.75,-2.75) 36(5.75,-2.25) 37(5.75,-1.75) 38(5.75,-1.25) 39(5.75,-0.75) 40(5.75,-0.25) 41(5.75,0.25) 42(5.75,0.75) 43(5.75,1.25) 44(5.75,1.75) 45(5.75,2.25) 46(5.75,2.75) 47(5.75,3.25) 48(5.75,3.75)
  silkscreen extent -8.9,-8.9 8.9,8.9, body extent -6.07,-6.07 6.07,6.07, height 1.6
TestPointHoop_BLACK [mil]
  round 60 hole 40: 1(0,0)
  silkscreen extent -45,-45 45,45, body extent -39,-63 39,63, height 193
TestPointHoop_ORANGE [mil]
  round 60 hole 40: 1(0,0)
  silkscreen extent -45,-45 45,45, body extent -39,-63 39,63, height 193
TestPointHoop_RED [mil]
  round 60 hole 40: 1(0,0)
  silkscreen extent -45,-45 45,45, body extent -39,-63 39,63, height 193

## Part data
BAT1: library part "Keystone 2898", "Battery Retainer Coin, 20.0mm 1 Cell SMD (SMT) Tab"
C1 C16 C25: library part "1uF 25V 5% X7R 0603", "Capacitor, Ceramic, SMD, 1uF, 25V, 5%, X7R, 0603"
C2 C3 C4 C5 C6 C7 C8 C10 C13 C14 C15 C20 C23A C23B C24A C24B: library part "100nF 50V 5% X7R 0603", "Capacitor, Ceramic, SMD, 100nF, 50V, 5%, X7R, 0603"
C9 C17 C18 C19: library part "4u7 50V 5% X7R 0603", "Capacitor, Ceramic, SMD, 4u7, 50V, 5%, X7R, 0603"
C11: library part "2u2 50V 5% X7R 0603", "Capacitor, Ceramic, SMD, 2u2, 50V, 5%, X7R, 0603"
C12A C12B: library part "4n7 50V 5% X7R 0603", "Capacitor, Ceramic, SMD, 4n7, 50V, 5%, X7R, 0603"
C21: library part "22uF 35V 20% X5R 1206", "22µF ±20% 35V Ceramic Capacitor X5R 1206 (3216 Metric)", ComponentLink1Description=Digikey, ComponentLink1URL=https://www.digikey.com.au/product-detail/en/tdk-corporation/C3216X5R1V226M160AC/445-8045-1-ND/2792165, ComponentLink2Description=Datasheet, ComponentLink2URL=https://product.tdk.com/info/en/catalog/datasheets/mlcc_commercial_general_en.pdf
C22: library part "47uF 16V 10% X7R 1210", "Capacitor, Ceramic, SMD, 47uF, 16V, 5%, X7R, 1210"
CS1: "1F (EDLC) Supercapacitor 2.7V Radial, Can 4Ohm @ 1kHz 1000 Hrs @ 70°C"
D1: "Clamp Ipp Tvs Diode Surface Mount 6-TSOP"
D2 D4 D5: "6.5V (Typ) Clamp 25A (8/20µs) Ipp Tvs Diode Surface Mount SOT-23-5"
D6 D8 D9 D10: "Diode, Schottky Barrier Rectifier, 60 V, 2 A, B260A-13-F"
D7 D11: "Diode, SMD, TVS Diode, 15V 24.4V, DO214AA/SMB", ComponentLink1Description=Digikey, ComponentLink1URL=https://www.digikey.com.au/product-detail/en/littelfuse-inc/SMBJ15CA/SMBJ15CALFCT-ND/285983, ComponentLink2Description=Datasheet, ComponentLink2URL=https://www.littelfuse.com/~/media/electronics/datasheets/tvs_diodes/littelfuse_tvs_diode_smbj_datasheet.pdf.pdf
DS9A DS9B DS10A DS10B DS11A DS11B DS12A DS12B: library part "LED BLUE 0603"
F1: "Polymeric PTC Resettable Fuse 16V 500mA Ih Surface Mount 1812 (4532 Metric), Concave"
J1 J2 J3: "MX120G with standard connector layout"
J4: "USB-C (USB TYPE-C) USB 3.2 Gen 2 (USB 3.1 Gen 2, Superspeed + (USB 3.1)) Receptacle Connector 24 Position Surface Mount, Right Angle; Through Hole"
L1: "FIXED IND 220UH 660MA 850 MOHM", ComponentLink1Description=Digikey, ComponentLink1URL=https://www.digikey.com.au/product-detail/en/w%C3%BCrth-elektronik/74404064221/732-7261-1-ND/5353241, ComponentLink2Description="LCSC A", ComponentLink2URL=https://lcsc.com/product-detail/Power-Inductors_Sunlord-SWPA6045S221MT_C91047.html, ComponentLink3Description="LCSC B", ComponentLink3URL=https://lcsc.com/product-detail/Power-Inductors_SXN-Shun-Xiang-Nuo-Elec-SMNR6045-221MT_C467145.html
LOGO2: library part "QUTMS Logo 30mm"
LYID1: library part "Layer Identification 4"
M1 M2 M3 M4 M5 M6 M7 M8: "M3.5 Hole, No Plating"
P1 P2 P3 P4: "Header, 8-Pin", LatestRevisionDate=17-Jul-2002, LatestRevisionNote="Re-released for DXP Platform.", Publisher="Altium Limited"
R1 R3 R4 R28 R37 R41A R41B: library part "10k 5% 0603", "Resistor, SMD, 10k, 0.1W, 5%, 0603"
R2 R29 R31 R35A R35B R36A R36B R38A R38B R39A R39B R46: library part "1k 5% 0603", "Resistor, SMD, 1k, 0.1W, 5%, 0603"
R5 R6 R11 R12 R13 R14 R15 R16: library part "33R 5% 0603", "Resistor, SMD, 33R, 0.1W, 5%, 0603"
R9 R10 R42 R43: library part "2k2 5% 0603", "Resistor, SMD, 2k2, 0.1W, 5%, 0603"
R17 R20 R21 R22: library part "4k7 5% 0603", "Resistor, SMD, 4k7, 0.1W, 5%, 0603"
R18 R19: library part "2M2 5% 0603", "Resistor, SMD, 2M2, 0.1W, 5%, 0603"
R23: library part "220R 5% 0603", "Resistor, SMD, 220R, 0.1W, 5%, 0603"
R24: library part "390k 5% 0603", "Resistor, SMD, 390k, 0.1W, 5%, 0603"
R25: library part "220k 5% 0603", "Resistor, SMD, 220k, 0.1W, 5%, 0603"
R26: library part "1k2 5% 0603", "Resistor, SMD, 1k2, 0.1W, 5%, 0603"
R27: library part "150k 5%, 0603", "Resistor, SMD, 150k, 0.1W, 5%, 0603"
R30: library part "64k9 1% 0603", "Resistor, SMD, 64k9, 0.1W, 5%, 0603"
R32A R32B R33A R33B: "Resistor, SMD, 60R4, 0.25W, 1%, 1210"
R34: library part "19k6 1% 0603", "Resistor, SMD, 19k6, 0.1W, 5%, 0603"
R40A R40B: "Resistor, SMD, 120R, 0.25W, 1%, 1210"
R44 R45: library part "5k1 1% 0603", "Resistor, SMD, 5k1, 0.1W, 1%, 0603"
SD1: "MicroSD Card Connector, Hinge Type, -40 to 85 degC, 8-Pin SMD, RoHS, Tape and Reel"
SW1: "Standard 4.5mm X 4.5mm momentary button", ComponentLink1Description=LCSC, ComponentLink1URL=https://lcsc.com/product-detail/Tactile-Switches_BRIGHT-TSA063G50-250_C294565.html
SW2 SW5A SW5B SW6A SW6B: library part "SLIDE DPDT JS202011JCQN"
SW4A SW4B: "Dip Switch SPST 1 Position Surface Mount Slide (Standard) Actuator 100mA 6VDC"
T1 T2: "Bipolar (BJT) Transistor NPN 40V 200mA 300MHz 300mW Surface Mount SOT-23-3"
TP1: library part TestPoint_Hoop_Black
TP2: library part TestPoint_Hoop_Red
TP3: library part TestPoint_Hoop_Orange
U1: "ARM® Cortex®-M4 STM32F4 Microcontroller IC 32-Bit 180MHz 256KB (256K x 8) FLASH 64-LQFP (10x10)"
U2: "8MHz XO (Standard) CMOS Oscillator 1.8 ~ 3.3V Standby (Power Down) 4-SMD, No Lead"
U3: "32.768kHz XO (Standard) LVCMOS Oscillator 1.5V ~ 3.63V 4-SMD, No Lead"
U4: "Overvoltage, Undervoltage Protection PMIC 10-TDFN-EP (3x3)"
U6A U6B: "1/1 Transceiver CANbus SOT-23-8"
U7A U7B: "1/1 Transceiver Full RS485 10-VSSOP"
U8: "I2C Blue 0.91\" inch OLED Display Module 128x32 Arduino,Raspberry Pi"
U9: "Inverter IC 1 Channel Schmitt Trigger SOT-5"
U10: "Accelerometer X, Y, Z Axis ±2g, 4g, 8g, 16g 1.5kHz ~ 1.6kHz 12-LGA (2x2)"
D13A D13B D14A D14B D15A D15B: ComponentLink1Description=Datasheet, ComponentLink1URL=https://www.onsemi.cn/PowerSolutions/document/NUP2105L-D.PDF, ComponentLink2Description=LCSC, ComponentLink2URL=https://lcsc.com/product-detail/TVS_ON-Semiconductor-NUP2105LT1G_C14486.html, ComponentLink3Description=Digikey, ComponentLink3URL=https://www.digikey.com.au/product-detail/en/on-semiconductor/SZNUP2105LT1G/SZNUP2105LT1GOSCT-ND/3487669
FB1: ComponentLink1Description=Digikey, ComponentLink1URL=https://www.digikey.com.au/product-detail/en/w%C3%BCrth-elektronik/74404064221/732-7261-1-ND/5353241, ComponentLink2Description="LCSC A", ComponentLink2URL=https://lcsc.com/product-detail/Power-Inductors_Sunlord-SWPA6045S221MT_C91047.html, ComponentLink3Description="LCSC B", ComponentLink3URL=https://lcsc.com/product-detail/Power-Inductors_SXN-Shun-Xiang-Nuo-Elec-SMNR6045-221MT_C467145.html

## Via types
v1: diameter 23.62, hole 13.78, Top Layer to Bottom Layer, tented both sides, 295 vias

## Nets (pads, with @x,y where several pads share a name; then routed paths per layer and width w, separated by ;. In a path a pad name is that pad's centre, name@x,y a point inside that pad or via, vN(x,y) a via of type N, cw(c..) or ccw(c..) an arc to the next point about the centre after c; other vN are vias at no path point)
3V3: C2.2 C3.2 C5.2 C6.2 C7.2 C8.2 C9.2 C13.2 C14.2 C15.2 C16.2 C17.2 C22.2 C23A.1 C23B.1 C24A.1 C24B.1 C25.2 DS9A.1 DS9B.1 DS10A.1 DS10B.1 DS11A.1 DS11B.1 DS12A.1 DS12B.1 FB1.1 J7.1 L1.2 P1.7 P3.7 R1.2 R4.2 R9.2 R10.2 R23.1 R30.2 R31.2 SD1.4 T1.C T2.C TP3.1 U1.19 U1.32 U1.48 U1.64 U2.1 U2.4 U3.4 U6A.3 U6B.3 U7A.10 U7B.10 U8.2 U9.5 U10.3 U10.7 U10.10 | length 3576.1
  Top Layer w10: v1(3005,2885) C23B.1@3005,2861.24 3010,2861.24 3031.24,2840 3078.42,2840 3087.2,2848.79 U6B.3@3087.2,2881.18 ; R1.2@3300,2861.24 v1(3300,2885) ; v1(3405,2885) C23A.1@3405,2861.24 3410,2861.24 3431.24,2840 3478.42,2840 3487.2,2848.79 U6A.3@3487.2,2881.18 ; U3.4@3513.94,4442.72 3513.94,4471.21 3522.72,4480 3526.24,4480 3536.24,4490 C3.2@3536.24,4495 ; C8.2@3740,4658.76 3740,4590 3767.36,4562.64 U1.64@3767.36,4506.38 ; C5.2@3780,3901.24 3788.19,3909.43 3788.19,3983.19 3805.83,4000.83 3805.83,4052.72 U1.19@3806.73,4053.62 ; U1.32@4062.64,4053.62 4062.64,4002.36 4075,3990 4130,3935 C6.2@4130,3901.24 ; U1.48@4141.38,4427.64 4217.64,4427.64 4260,4470 C7.2@4293.76,4470 ; U9.5@4195,2565 4195.33,2565 4196.24,2565.91 C13.2@4196.24,2635 ; U10.3@4269.49,4835.16 4268.58,4834.25 4247.46,4834.25 4235,4821.79 4235,4790 4245,4780 4321.21,4780 4330,4788.79 4330,4814.96 U10.7@4330.51,4815.47 4331.5,4815.47 4333.2,4813.76 4394.1,4813.76 ; U10.10@4330.51,4874.53 4385.32,4874.53 4394.1,4865.74 4394.1,4813.76 ; C14.2@4455,4813.76 4394.1,4813.76 ; U7A.10@4741.61,3949.37 4789.37,3949.37 4800,3960 4800,4000.37 4791.21,4009.15 4770.85,4009.15 v1(4770,4010) ; U7B.10@4741.61,4149.37 4789.37,4149.37 4800,4160 4800,4200.37 4791.21,4209.15 4770.85,4209.15 v1(4770,4210)
  Top Layer w20: v1(3320,3443.53) 3320,3442.55 3329.49,3433.06 T1.C@3329.49,3357.4 ; T2.C@3329.49,3557.4 3331.2,3555.69 3359.31,3555.69 v1(3360,3555) ; v1(3385,4365) C2.2@3385,4341.24 3389.42,4336.82 3444.24,4336.82 U2.4@3448.66,4332.4 U2.1@3448.66,4257.6 ; v1(3385,5615) R31.2@3385,5638.76 ; v1(3450,4170) FB1.1@3473.76,4170 ; v1(3535,4520) 3535.62,4519.38 3535.62,4495.62 C3.2@3536.24,4495 ; v1(3690,3900) 3690.62,3900.62 3719.38,3900.62 C9.2@3720,3901.24 C5.2@3780,3901.24 3780.62,3900.62 3809.38,3900.62 v1(3810,3900) ; v1(3710,4660) 3710.62,4659.38 3739.38,4659.38 C8.2@3740,4658.76 ; DS10B.1@3765,2153.76 DS9B.1@3825,2153.76 v1(3895,2153.76) DS10A.1@3965,2153.76 DS9A.1@4025,2153.76 ; v1(3850,5545) 3850.62,5544.38 3850.62,5515.62 R30.2@3851.24,5515 ; C6.2@4130,3901.24 4130.62,3900.62 4159.38,3900.62 v1(4160,3900) ; C13.2@4196.24,2635 v1(4220,2635) ; C7.2@4293.76,4460 4294.38,4460.62 4294.38,4489.38 v1(4295,4490) ; v1(4455,4790) C14.2@4455,4813.76 ; v1(4530,4945) 4530.62,4944.38 4559.38,4944.38 R10.2@4560,4943.76 R9.2@4620,4943.76 4620.62,4944.38 4649.38,4944.38 v1(4650,4945) ; U8.2@4625.98,5660.24 4690.24,5660.24 4715,5685 C25.2@4715,5753.76 ; C24A.1@4746.24,4010 v1(4770,4010) ; C24B.1@4746.24,4210 v1(4770,4210) ; v1(4775,5095) R4.2@4775,5118.76 ; v1(4926.21,4911.21) R23.1@4926.24,4940 ; v1(4926.85,4970.24) 4926.55,4969.93 4926.55,4940.31 R23.1@4926.24,4940 ; v1(4947.25,4939.99) R23.1@4926.24,4940 ; C16.2@5110,2792.47 v1(5110,2815) ; C17.2@5170,2792.47 v1(5170,2815) ; DS12A.1@5200,2153.76 DS11A.1@5260,2153.76 v1(5330,2153.76) DS12B.1@5400,2153.76 DS11B.1@5460,2153.76 ; C15.2@5230,2792.47 v1(5230,2815) ; SD1.4@5661.02,2971.26 5661.65,2970.63 5699.37,2970.63 v1(5700,2970)
  other v1: 5625,2970 4370,5170 4370,5220 4370,5270 4370,5320 4370,5370 4375,5420 4375,5465 4375,5510